# KiCad board for_real_486_2.kicad_pcb (continued)
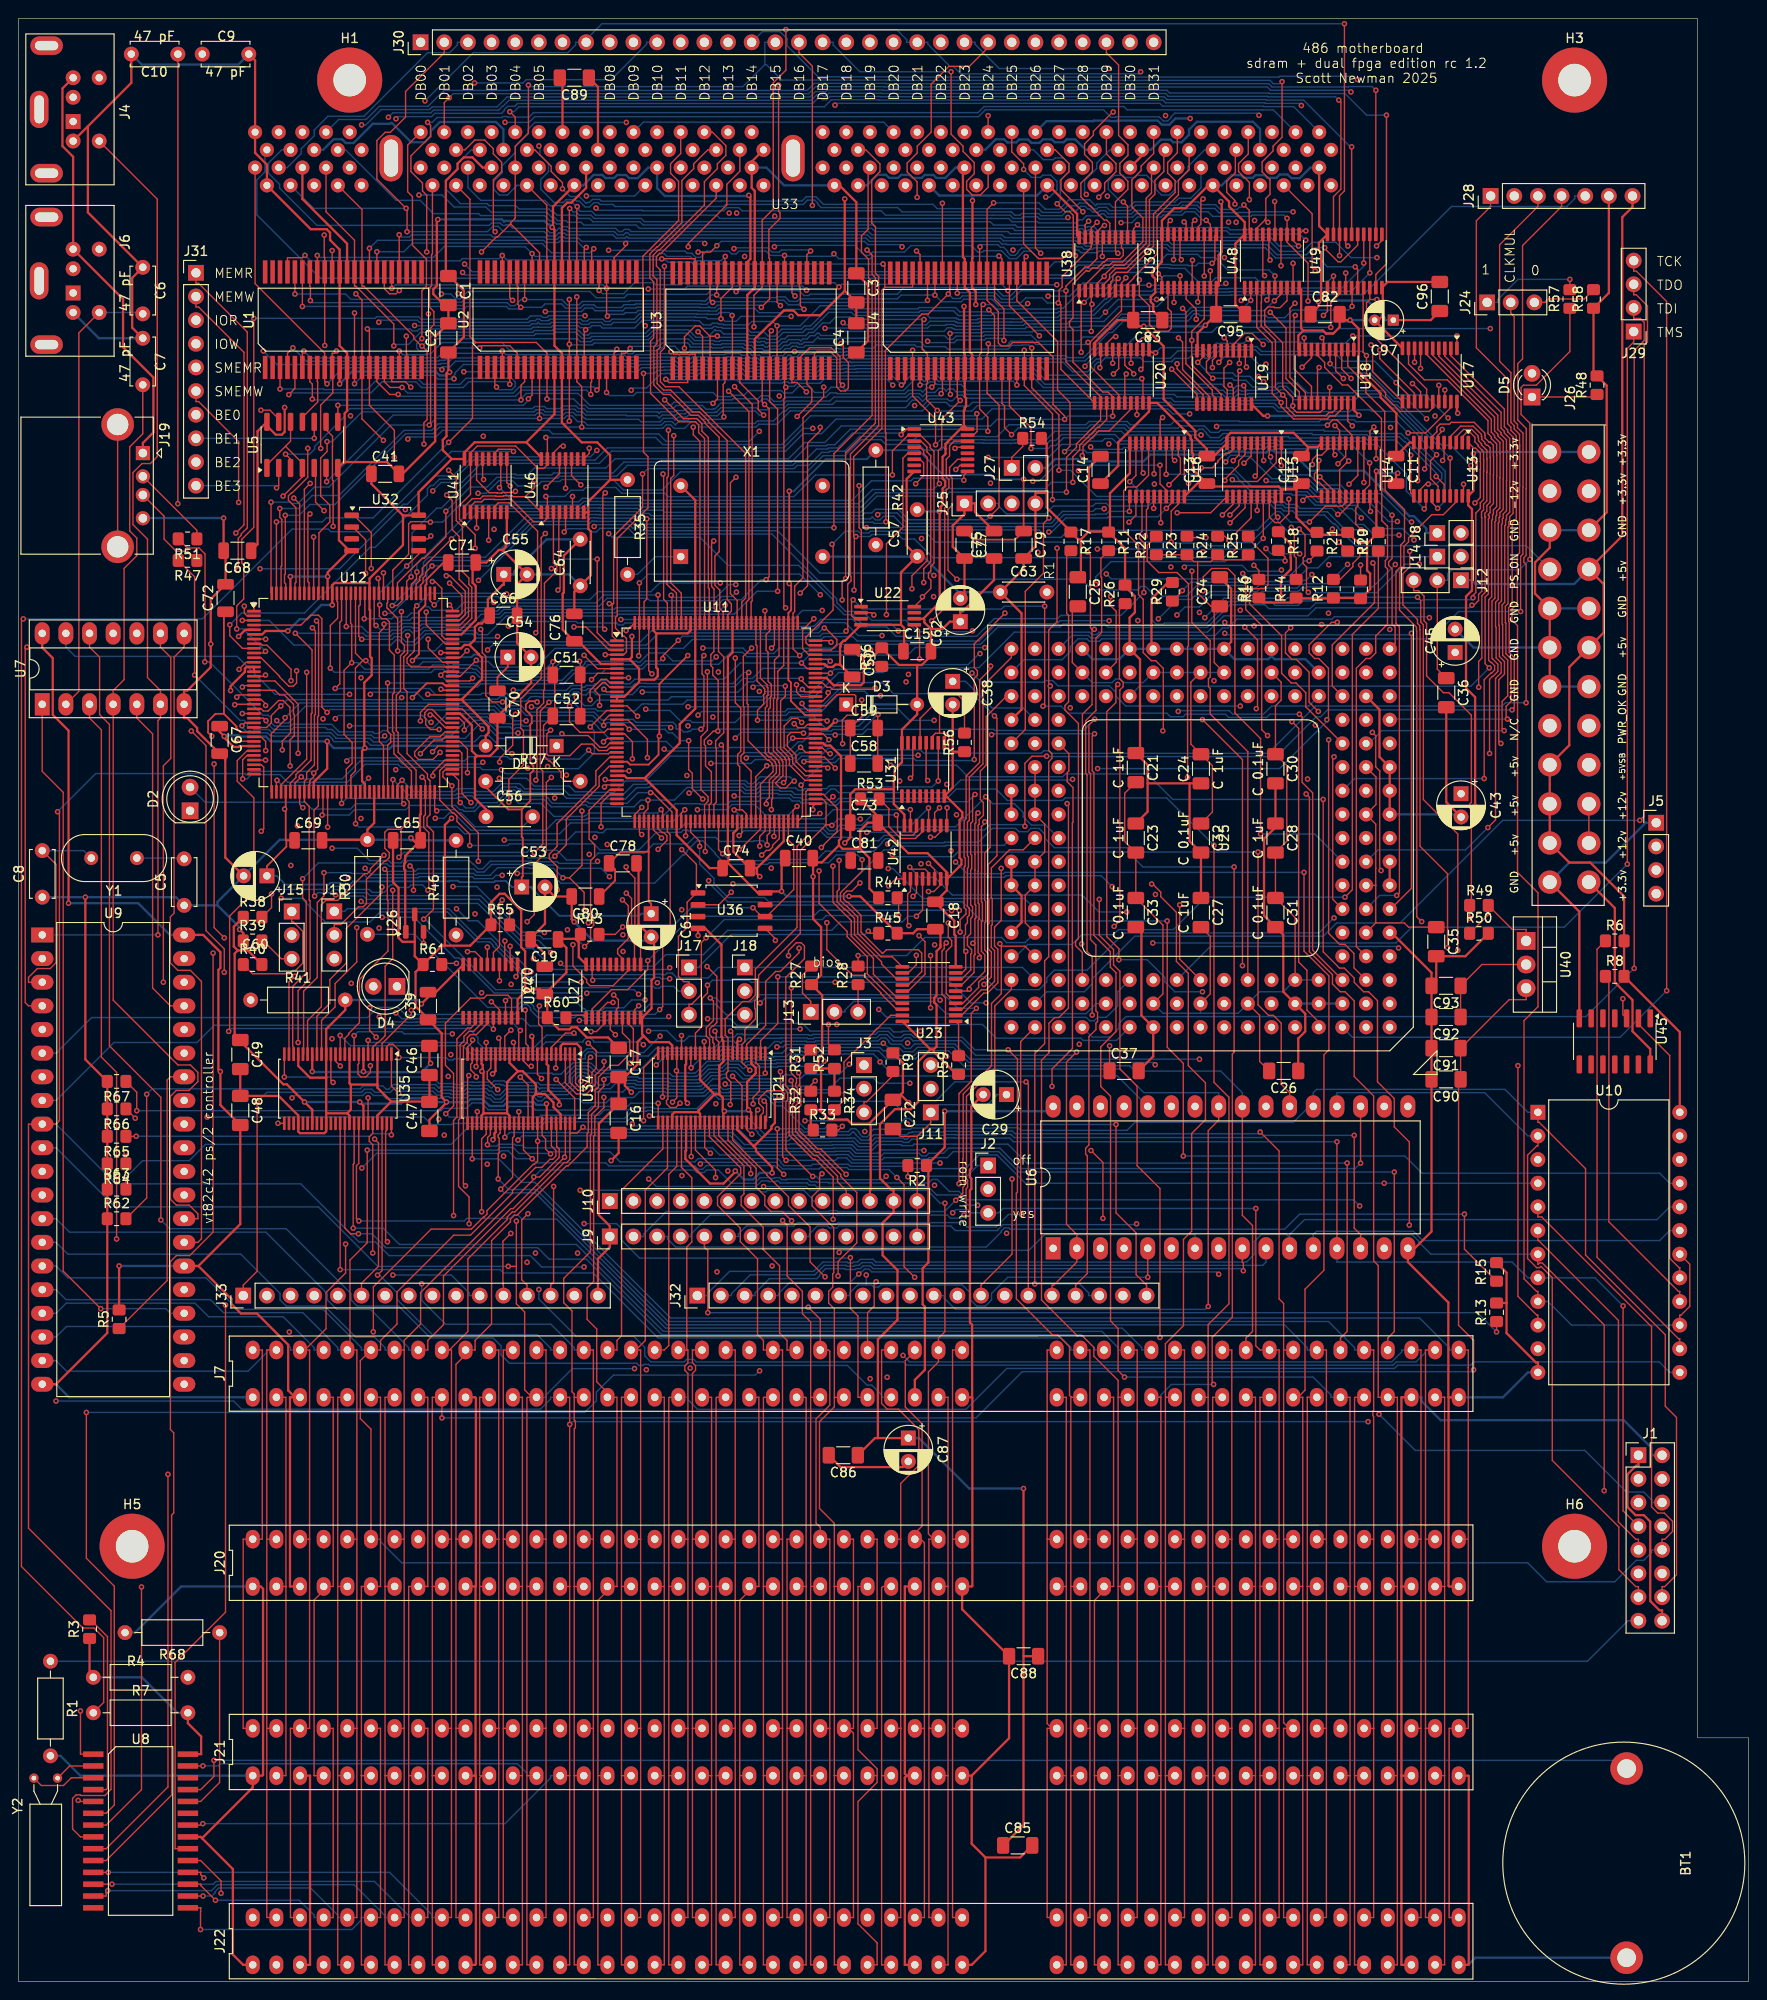
[diagram p0: board, top side]
## Routing (per net, layer and track width the routed paths; a pad name or vN(x,y) marks a point on that pad's centre or on a via; arc(x,y) is an arc through that point) (continued)
  In1.Cu w0.15: v1(102.12,106.58) 96.78,106.58 89.23,99.03 v1(89.23,98.51)
  In2.Cu w0.15: U25.N17 105.57,131.91 105.57,126.34 v1(103.78,124.54) ; v1(110.68,157.19) 114.83,161.33 114.83,164.12 114.55,164.4 v1(114.55,173.48)
  Bottom w0.15: v1(25.61,94.45) 26.67,95.51 36.83,95.51 37.16,95.83 37.92,95.83 38.25,95.51 39.3,95.51 39.32,95.49 39.9,95.49 40.39,95.97 44.63,95.97 45.05,95.55 45.24,95.55 45.42,95.73 46.48,95.73 46.59,95.63 47.84,95.63 48.09,95.89 48.48,95.89 48.51,95.86 49.68,95.86 49.71,95.89 50.3,95.89 50.55,95.63 50.81,95.63 51.22,95.21 51.7,95.21 52.04,95.55 52.04,95.55 52.33,95.85 55.48,95.85 55.96,95.38 56.01,95.38 56.23,95.6 57.2,95.6 57.21,95.59 58.81,95.59 59.37,96.15 59.37,96.27 59.47,96.37 59.47,97.08 60.01,97.63 60.78,97.63 60.84,97.57 61.06,97.57 61.64,96.99 61.64,96.42 62.19,95.88 63.56,95.88 64.11,96.44 66.2,96.44 66.36,96.27 69.69,96.27 69.8,96.16 71.4,96.16 71.42,96.14 73.06,96.14 73.08,96.16 73.29,96.16 74.41,97.28 75.4,97.28 75.53,97.41 75.86,97.41 76.24,97.8 76.93,97.8 77.79,96.94 81.88,96.94 82.3,97.36 83.19,97.36 83.57,96.98 84.01,96.98 84.45,97.42 88.14,97.42 v1(89.23,98.51) ; v1(114.55,173.48) 114.55,173.55 116.09,175.09 121.98,175.09 v1(122.13,174.93) 122.68,175.48 127.28,175.48 127.72,175.04 127.75,175.04 128.65,175.94 131.6,175.94 v1(132.06,176.41) 133.92,176.41 134.23,176.09 137.7,176.09 137.84,175.95 142.52,175.95 v1(143.3,176.73) v1(154.5,176.73)
WTWB: length 30.7
  Bottom w0.15: U25.B13 115.74,105.03 114.66,103.94 99.62,103.94 98.3,105.27 89.7,105.27 88.76,104.32 88.76,104.14 J13.2
x00: length 110.6
  Top w0.15: U11.18 65.44,135.5 67.54,133.41 v1(67.54,131.44) ; U34.2 59.22,96.56 60.08,95.7 60.79,95.7 61.18,96.08 61.18,96.17 61.58,96.57 61.58,97.63 62.05,98.09 62.05,99.91 v1(61.19,100.76) ; U12.34 26.07,130.68 26.33,130.42 26.33,123.8 v1(26.06,123.53)
  In2.Cu w0.15: v1(28.2,116.33) 28.2,121.4 v1(26.06,123.53) ; v1(60.44,107.34) 61.03,106.76 v1(61.03,106.14) 61.03,104.7 62.06,103.67 62.06,101.63 v1(61.19,100.76) ; v1(67.54,131.44) 67.54,130.42 65.69,128.57 65.69,127.98 65.62,127.91 65.62,127.08 65.27,126.73 65.27,124.59 65.46,124.4 65.46,123.28 65.65,123.08 65.65,121.6 66.52,120.73 66.52,111.59 66.59,111.51 66.59,106.03 v1(66.6,106.03)
  Bottom w0.15: v1(28.2,116.33) 30.4,116.33 32.95,113.78 37.73,113.78 38.81,114.87 46.05,114.87 49.26,111.66 50.59,111.66 50.93,111.32 50.93,111.23 52.95,109.21 52.96,109.21 54.11,108.06 54.11,108.05 54.82,107.34 v1(60.44,107.34) ; v1(61.03,106.14) 61.17,106.28 63.44,106.28 63.68,106.53 66.1,106.53 v1(66.6,106.03)
x01: length 105.8
  Top w0.15: v1(62.84,134.9) 62.84,135.39 63.46,136 U11.17 ; U12.33 v1(26.52,131.18) ; U34.3 58.72,96.51 59.91,95.32 61,95.32 61.53,95.85 61.53,96.02 61.7,96.2 61.82,96.2 61.93,96.31 61.93,97.31 62.88,98.26 v1(62.88,98.81)
  In1.Cu w0.15: v1(62.88,98.81) 63.23,99.15 63.23,102.16 64.14,103.07 64.14,103.32 64.05,103.41 64.05,103.48 65.2,104.63 65.2,105.52 66.67,106.99 68.33,106.99 v1(68.61,107.27) ; v1(71.9,134.86) 71.71,134.67 v1(70.04,134.67)
  In2.Cu w0.15: v1(26.52,131.18) 27.72,132.38 v1(27.72,135.42) ; v1(71.9,134.86) 71.9,134.12 71.32,133.54 71.32,130.38 70.31,129.36 70.31,128.82 69.94,128.46 69.94,113.55 69.52,113.12 69.52,110.68 69.02,110.19 69.02,109.64 69.01,109.62 69.01,108.49 69.02,108.47 69.02,108.18 68.67,107.83 68.67,107.33 v1(68.61,107.27)
  Bottom w0.15: v1(27.72,135.42) 27.98,135.16 29,135.16 30.8,136.96 51.14,136.96 51.77,136.33 52.41,136.33 52.74,136.67 53.83,136.67 54.52,135.97 61.67,135.97 62.74,134.9 v1(62.84,134.9) 62.92,134.9 63.22,135.2 65.86,135.2 66.17,134.89 69.83,134.89 v1(70.04,134.67)
x02: length 102.2
  Top w0.15: v1(61.4,134.74) 63.16,136.5 U11.16 ; v1(57.69,98.11) 57.72,98.15 U34.5 ; v1(24.07,129.16) 24.07,131.21 24.54,131.68 U12.32
  In1.Cu w0.15: v1(51.86,130.15) 52.7,130.15 59.97,122.88 v1(61.9,122.88)
  In2.Cu w0.15: v1(57.69,98.11) 57.69,97.63 56.13,96.07 56.13,94.02 56.47,93.68 56.99,93.68 57.5,94.2 57.5,95.65 58.32,96.47 58.32,96.79 58.41,96.88 58.41,97.52 58.66,97.77 58.66,100.23 58.74,100.31 58.74,100.37 58.98,100.61 58.98,101.21 58.72,101.47 58.72,102.24 58.98,102.49 58.98,102.65 58.95,102.68 58.95,107.64 59.16,107.85 59.16,108.05 60.12,109 60.12,113.43 61.52,114.84 61.52,120.46 61.87,120.81 61.87,122.86 v1(61.9,122.88)
  Bottom w0.15: v1(61.4,134.74) 61.84,134.31 61.84,131.97 60.13,130.26 58.62,130.26 58.27,129.91 55.11,129.91 54.93,129.73 52.27,129.73 v1(51.86,130.15) 49.83,130.15 49.58,130.4 41.07,130.4 40.74,130.73 37.22,130.73 35.3,128.8 28.89,128.8 28.08,129.61 25,129.61 24.54,129.16 v1(24.07,129.16)
x03: length 126.5
  Top w0.15: v1(22.56,102.04) 22.67,102.15 22.67,114.43 25.27,117.03 25.27,127.12 23.48,128.91 23.48,131.12 24.54,132.18 U12.31 ; v1(66.48,135.89) 65.36,137 U11.15 ; v1(59.65,101.85) 58.74,101.85 57.22,100.33 U34.6
  In1.Cu w0.15: v1(71.78,129.52) 71.78,131.62 68,135.4 66.97,135.4 v1(66.48,135.89) ; v1(60.23,103.21) 60.23,102.43 v1(59.65,101.85)
  In2.Cu w0.15: v1(71.78,129.52) 71.78,128.28 70.65,127.15 70.65,113.26 70.51,113.12 70.51,106.25 69.83,105.57 v1(69.83,103.63)
  Bottom w0.15: v1(59.65,101.85) 59.67,101.83 59.69,101.83 59.89,101.64 59.9,101.64 59.91,101.63 56.7,101.63 55.33,100.26 49.93,100.26 49.34,100.85 49.34,101.36 48.35,102.35 43.02,102.35 43,102.33 41.35,102.33 41.33,102.35 22.87,102.35 v1(22.56,102.04) ; v1(60.23,103.21) 63.26,103.21 63.5,103.44 69.64,103.44 v1(69.83,103.63)
x04: length 87.4
  Top w0.15: v1(23.37,133.21) 25.25,133.21 U12.29 ; U11.12 63.15,138.5 v1(62.86,138.79) ; U34.8 56.22,102.47 55.86,102.83 55.86,104.69 v1(55.94,104.77)
  In1.Cu w0.15: v1(46.66,117.59) 42.78,121.47 42.06,121.47 30.31,133.21 v1(23.37,133.21)
  In2.Cu w0.15: v1(62.86,138.79) 62.98,138.67 62.98,136.18 62,135.2 62,126.27 59.95,124.22 59.95,116.49 56.48,113.03 v1(56.48,112.67) 56.12,112.3 56.12,104.95 v1(55.94,104.77)
  Bottom w0.15: v1(56.48,112.67) 56.46,112.69 54.11,112.69 49.21,117.59 v1(46.66,117.59)
x05: length 97.1
  Top w0.15: 59.18,118.54 v1(58.47,118.54) ; 59.18,118.54 60.51,119.87 v1(60.51,125.71) ; 59.18,118.54 60.74,116.97 v1(60.74,115.06) ; U12.28 26.04,133.68 26.54,133.18 v1(26.54,132.2) ; v1(56.17,96.98) 55.72,97.42 U34.9 ; U11.11 63.5,139 63,139.5 62.72,139.5 61.9,138.69 61.9,138.62 62.4,138.12 v1(62.4,137.05)
  In1.Cu w0.15: v1(26.54,132.2) 27.21,131.53 29.03,131.53 30.08,130.47 30.19,130.47 31.02,129.64 31.02,128.71 34.25,125.48 34.25,122.52 v1(37.22,119.55)
  In2.Cu w0.15: v1(62.4,137.05) 60.63,135.28 60.63,130.96 61.42,130.17 61.42,126.62 v1(60.51,125.71) ; v1(60.74,115.06) 60.39,114.7 59.75,114.7 58.12,113.07 58.12,110.53 58.79,109.86 58.79,109.11 58.25,108.57 58.25,102.76 58.02,102.53 58.02,101.18 58.27,100.92 58.27,100.9 58.04,100.66 58.04,100.6 57.92,100.49 57.92,99.27 56.17,97.52 v1(56.17,96.98)
  Bottom w0.15: v1(37.22,119.55) 37.89,118.88 42.76,118.88 42.88,119 48.87,119 49.08,118.8 50.63,118.8 51.45,119.62 54.8,119.62 54.86,119.56 57.45,119.56 v1(58.47,118.54)
x06: length 86.9
  Top w0.15: v1(61.39,137.67) 61.39,138.67 62.57,139.86 63.14,139.86 63.49,139.5 U11.10 ; v1(28.17,136.99) 27.15,135.97 27.15,135.19 26.64,134.68 U12.26 ; U34.11 54.72,100.48 54.48,100.72 54.48,104.27 v1(54.41,104.34)
  In1.Cu w0.15: v1(58.84,129.58) 58.01,128.74 56.99,128.74 56.65,129.08 56.65,129.34 55.62,130.37 55.62,130.69 55.08,131.23 54.94,131.23 53.37,132.8 53.12,132.8 52.37,133.55 52.37,133.62 46.61,139.38 42.63,139.38 v1(41.15,137.89)
  In2.Cu w0.15: v1(54.41,104.34) 54.41,112.22 59.04,116.85 59.04,129.38 v1(58.84,129.58) 59.92,130.65 59.92,135.17 61.39,136.64 v1(61.39,137.67)
  Bottom w0.15: v1(28.17,136.99) 28.85,137.67 40.92,137.67 v1(41.15,137.89)
x07: length 128.3
  Top w0.15: U34.12 54.22,98.86 54.79,98.29 v1(55.06,98.29) ; v1(24,134.86) 24.31,135.18 U12.25 ; U11.9 64.29,140.02 v1(65.51,140.02)
  In2.Cu w0.15: v1(24,134.86) 24,131.76 24.38,131.37 24.51,131.37 25.35,130.53 25.35,130.47 25.26,130.38 25.26,126.78 30.19,121.85 30.19,120.07 32.1,118.16 32.22,118.28 32.45,118.28 v1(34.04,116.69) ; v1(65.51,140.02) 67.19,141.7 67.19,143.29 66.82,143.66 66.82,144.98 64.94,146.86 63.15,146.86 59.15,142.86 59.15,141.14 57.54,139.54 57.54,137.1 57.25,136.81 56.92,136.81 54.56,134.45 54.26,134.45 53.9,134.81 53.56,134.81 52.83,134.08 52.83,132.03 v1(52.99,131.87) ; v1(57.16,110.5) 56.96,110.31 56.96,101.27 55.06,99.36 v1(55.06,98.29)
  Bottom w0.15: v1(57.16,110.5) 55.85,111.81 53.87,111.81 49.46,116.22 37.38,116.22 37.02,116.58 34.16,116.58 v1(34.04,116.69) ; v1(24,134.86) 24,134.72 24.47,134.25 24.72,134.25 24.81,134.34 24.87,134.34 25.11,134.11 26.73,134.11 27.05,133.79 27.35,133.79 27.39,133.76 29.63,133.76 29.64,133.77 33.38,133.77 33.72,133.43 33.72,133.33 33.89,133.16 37.42,133.16 37.8,132.77 39.64,132.77 39.97,133.11 39.97,133.11 40.02,133.16 49,133.16 49.63,133.79 50.54,133.79 52.24,132.09 52.77,132.09 v1(52.99,131.87)
x08: length 66.7
  Top w0.15: U34.13 53.72,101.97 v1(53.89,102.14) ; v1(26.57,135.42) 26.31,135.68 U12.24
  In2.Cu w0.15: v1(39.32,133.77) 38.88,133.33 38.88,121.91 38.22,121.26 38.22,118.06 38.1,117.94 38.1,114.41 38.81,113.71 38.97,113.71 39.32,113.36 39.32,112.51 36.89,110.08 36.89,106.23 38.74,104.38 v1(38.74,103.6)
  Bottom w0.15: v1(26.57,135.42) 26.57,135.26 27.34,134.49 27.65,134.49 27.68,134.46 29.34,134.46 29.56,134.68 32.97,134.68 33.18,134.47 33.67,134.47 34.28,133.86 37.88,133.86 38.17,133.57 39.12,133.57 v1(39.32,133.77) ; v1(38.74,103.6) 39.28,103.05 41.62,103.05 41.65,103.03 42.71,103.03 42.73,103.05 52.97,103.05 v1(53.89,102.14)
x09: length 55.1
  Top w0.15: U12.23 v1(24.03,136.18) ; v1(53.15,100.85) 53.22,100.77 U34.14
  In1.Cu w0.15: v1(24.03,136.18) 26.58,133.63 30.52,133.63 41.96,122.19 42.97,122.19 v1(55.3,109.86)
  In2.Cu w0.15: v1(53.15,100.85) 53.42,100.85 55.36,102.8 55.36,105.01 55.72,105.37 55.72,109.43 v1(55.3,109.86)
x10: length 57.4
  Top w0.15: v1(28.32,132.27) 28.32,133.22 29.2,134.1 29.2,135.98 29.14,136.04 29.14,136.85 28.41,137.58 27.92,137.58 26.79,136.45 26.29,136.45 26.06,136.68 U12.22 ; v1(52.88,102.18) 52.22,101.52 U34.16
  In1.Cu w0.15: v1(28.32,132.27) 28.82,132.27 30.1,130.98 31.55,130.98 38.9,123.63 38.9,123.5 41.11,121.29 41.14,121.29 41.47,120.95 41.47,120.06 41.46,120.05 41.46,119.5 42.62,118.35 43.9,118.35 v1(47.04,115.21)
  In2.Cu w0.15: v1(52.88,102.18) 53.11,102.18 54.99,104.05 54.99,108.39 v1(55.03,108.44)
  Bottom w0.15: v1(47.04,115.21) 48.33,113.92 49.33,113.92 51.65,111.59 51.65,111.51 53.25,109.91 53.56,109.91 v1(55.03,108.44)
x11: length 64.6
  Top w0.15: v1(23.21,137.13) 23.26,137.18 U12.21 ; U34.17 51.72,101.16 v1(51.57,101.32)
  In1.Cu w0.15: v1(29.24,119.86) 29.16,119.94 29.16,126.14 22.8,132.51 22.8,136.72 v1(23.21,137.13) ; v1(51.57,101.32) 49.79,99.54 47.86,99.54 46.92,100.47 45.68,100.47 44.15,102.01 37.28,102.01 36.22,100.96 33.96,100.96 v1(33.67,101.25)
  In2.Cu w0.15: v1(29.24,119.86) 29.24,118.08 31.22,116.1 31.22,103.7 v1(33.67,101.25)
x12: length 63.5
  Top w0.15: U12.20 26.07,137.68 26.53,137.22 v1(26.53,137.05) ; U34.19 50.72,98.1 50.33,97.71 50.33,96.92 v1(51.46,95.79)
  In1.Cu w0.15: v1(52.9,107.09) 53.41,107.09 54.46,108.14 54.46,108.68 54.8,109.01 55.33,109.01 55.89,109.57 55.89,110.09 42.31,123.67 41.52,123.67 28.78,136.4 27.17,136.4 v1(26.53,137.05)
  In2.Cu w0.15: v1(51.46,95.79) 52.4,96.73 52.4,98.04 52.23,98.22 52.23,103.53 52.9,104.21 v1(52.9,107.09)
x13: length 68.5
  Top w0.15: U12.19 23.67,138.18 v1(23.43,137.94) ; v1(18.55,134.31) 20.13,132.73 20.13,112.86 22.09,110.9 v1(22.09,108.39) ; U34.20 v1(50.22,100.84)
  In1.Cu w0.15: v1(23.43,137.94) 22.19,137.94 v1(18.55,134.31) ; v1(22.09,108.39) 26.11,108.39 31.8,102.7 44.53,102.7 46.38,100.84 48.22,100.84 48.52,100.54 49.92,100.54 v1(50.22,100.84)
x14: length 58.4
  Top w0.15: U34.22 49.22,98.35 v1(49.13,98.26) ; v1(29.16,130.55) 29.16,133.35 29.61,133.8 29.61,136.07 29.52,136.16 29.52,137.18 28.53,138.17 28.04,138.17 27.53,138.68 U12.18 ; v1(37.7,104.58) 37.7,102.12 v1(38.41,101.42)
  In1.Cu w0.15: v1(49.13,98.26) 48.64,98.26 46.77,100.12 45.36,100.12 45.01,100.47 39.35,100.47 v1(38.41,101.42) ; v1(29.16,130.55) 29.51,130.19 29.51,124.56 v1(29.95,124.12)
  In2.Cu w0.15: v1(37.7,104.58) 37.53,104.58 35.15,106.97 35.15,115.86 35.41,116.12 35.41,116.6 35.15,116.86 35.15,117.22 33.56,118.81 33.56,119.31 29.95,122.92 v1(29.95,124.12)
x15: length 70.1
  Top w0.15: v1(49.15,97.14) 49.15,97.31 48.56,97.91 48.56,98.5 48.72,98.67 U34.23 ; v1(24.03,139.02) 24.19,139.18 U12.17 ; v1(22.09,112.09) 21,113.18 v1(21,130.76)
  In1.Cu w0.15: v1(49.15,97.14) 48.61,96.6 34.86,96.6 32.96,98.5 30.3,98.5 21.48,107.32 21.48,111.47 v1(22.09,112.09)
  In2.Cu w0.15: v1(24.03,139.02) 24.03,137.14 22.77,135.88 22.77,132.53 v1(21,130.76)
~{CAS}: length 98.1
  Top w0.15: v1(30.36,129.38) 29.69,128.71 U12.42
  In2.Cu w0.15: U33.115 68.58,196.33 67.19,194.93 67.19,194.42 66.22,193.45 66.22,186.87 61.67,182.33 61.67,171.97 57.91,168.21 57.91,152.38 58.16,152.13 58.16,150.6 56.53,148.97 56.53,140.43 51.32,135.22 51.32,132.4 v1(49.86,130.94)
  Bottom w0.15: v1(49.86,130.94) 49.67,130.75 41.22,130.75 40.89,131.08 36.67,131.08 34.75,129.16 30.59,129.16 v1(30.36,129.38)
~{RAS}: length 97.1
  Top w0.15: U12.43 30.19,127.77 30.19,126.41 v1(30.53,126.07)
  In2.Cu w0.15: v1(44.31,135.23) 46.88,137.81 46.88,145.33 47.76,146.21 47.76,146.45 48.46,147.15 48.46,165.45 55.29,172.28 55.29,183.13 61.19,189.03 61.19,191.17 61.56,191.54 61.56,192.01 61.19,192.38 61.19,193.54 62,194.35 62,195.44 61.19,196.26 61.19,197.27 62.55,198.63 U33.111 ; v1(30.53,126.07) 29.76,126.84 29.76,129.98 30.6,130.82 30.6,132.21 v1(34.02,135.63)
  Bottom w0.15: v1(34.02,135.63) 34.35,135.96 43.39,135.96 44.13,135.23 v1(44.31,135.23)
~{RESET}: length 119
  In2.Cu w0.15: U7.10 12.7,143.31 13.84,142.17 13.84,136.57 29.84,120.58 29.84,119.92 31.95,117.8 32.25,117.8 32.31,117.87 32.37,117.87 33.47,116.77 33.47,116.45 33.86,116.06 33.91,116.06 J16.1
  Bottom w0.15: J16.1 35.04,114.94 35.32,115.22 46.21,115.22 49.42,112.01 50.73,112.01 51.28,111.47 51.28,111.38 52.55,110.11 52.55,110.1 53.1,109.56 53.11,109.56 54.46,108.2 54.46,108.2 54.8,107.86 55.27,107.86 55.54,108.13 68.16,108.13 68.23,108.19 69,108.19 69.06,108.13 69.47,108.13 69.64,108.3 70.19,108.3 70.71,107.78 74.06,107.78 75.19,108.91 J18.1 107.83,108.91 U25.C16
Net-(BT1-+): length 157.2
  Top w0.15: v1(20.98,23.74) 20.98,22.02 19.56,20.6 U8.25
  Bottom w0.15: BT1.1 171.84,23.74 v1(20.98,23.74)
Net-(D1-K): length 21.5
  Top w0.15: v1(46.28,147.85) 46.6,147.53 U12.108
  In1.Cu w0.15: D1.1 57.78,133.74 56.98,133.74 55.09,135.63 55.09,135.77 53,137.86 52.39,137.86 46.28,143.96 v1(46.28,147.85)
Net-(D2-K): length 23
  In2.Cu w0.15: R41.1 24.92,112.83 19.26,118.5 19.26,123.71 18.41,124.55 D2.1
Net-(D3-K): length 9.1
  Top w0.15: U11.108 87.09,144 v1(87.26,143.83)
  In2.Cu w0.15: D3.1 88.89,142.2 v1(87.26,143.83)
Net-(D4-K): length 8.8
  In1.Cu w0.15: R46.1 41.82,107.22 41.82,106.88 D4.1
Net-(D5-A): length 40.4
  In2.Cu w0.15: J26.8 166.57,136.97 166.57,168.71 D5.2
Net-(D5-K): length 7.1
  Top w0.15: D5.1 169.27,170.18 R48.1
Net-(J1-Pin_15): length 172.4
  Bottom w0.15: R1.1 168.52,34.39 172.86,38.73 J1.15
Net-(J2-Pin_1): length 10.3
  Top w0.15: R2.2 v1(95.52,86.42)
  Bottom w0.15: v1(95.52,86.42) 95.58,86.49 101.87,86.49 103.01,87.63 J2.1
Net-(J2-Pin_2): length 14.4
  In1.Cu w0.15: J2.2 105.27,85.09 105.27,85.57 112.2,92.5 113.67,92.5 113.67,93.98
Net-(J3-Pin_3): length 5.8
  Top w0.15: R9.2 93.91,97.3 91.09,94.47 90.8,94.47 J3.3
Net-(J5-Pin_4): length 15
  Top w0.15: v1(172.32,105.55) 172.32,103.84 U45.3
  In2.Cu w0.15: J5.4 175.89,115.7 172.32,112.13 v1(172.32,105.55)
Net-(J8-Pin_2): length 36.1
  In2.Cu w0.15: U25.J1 149.83,125.37 149.83,143.96 153.8,147.92 153.8,153.6 154.64,154.45 154.93,154.45 J8.2
Net-(J9-Pin_3): length 97.6
  Top w0.15: v1(155.3,82.41) 155.3,78.65 R15.1
  Bottom w0.15: v1(155.3,82.41) 137.6,82.41 135.98,80.78 106.5,80.78 106.36,80.93 105.88,80.93 105.54,80.59 105.54,80.48 103.93,78.87 70.56,78.87 69.71,79.73 69.71,80.01 J9.3
Net-(J9-Pin_5): length 95
  Top w0.15: v1(74.02,71.83) 74.02,78.52 73.66,78.88 J9.5 ; R13.1 v1(158.75,69.76)
  Bottom w0.15: v1(74.02,71.83) 156.68,71.83 v1(158.75,69.76)
Net-(J11-Pin_2): length 69.6
  In1.Cu w0.15: J11.2 101.05,95.88 105.93,100.76 106.44,100.76 107.9,102.23 107.9,102.72 108.94,103.76 109.42,103.76 110.44,104.78 110.44,105.23 111.51,106.3 111.97,106.3 112.98,107.31 112.98,107.81 121.34,116.17 122.35,116.17 122.51,116.34 125.65,116.34 v1(138.45,129.14)
  In2.Cu w0.15: v1(138.45,129.14) 138.5,129.19 138.5,141.97 139.65,143.12 U25.S4
Net-(J13-Pin_1): length 5.7
  Top w0.15: R27.2 84.19,108.08 84.19,106.16 85.09,105.27 J13.1
Net-(J13-Pin_3): length 2.9
  Top w0.15: J13.3 R28.1
Net-(J14-Pin_1): length 30.5
  Top w0.15: v1(125.01,149.39) 125.01,149.33 R29.1
  Bottom w0.15: J14.1 140.78,153.03 139.57,151.82 138.5,151.82 137.39,150.71 136.78,150.71 136.43,150.36 132.5,150.36 132.44,150.29 125.91,150.29 v1(125.01,149.39)
Net-(J14-Pin_2): length 71.8
  In2.Cu w0.15: v1(148.23,111) 148.71,111.48 148.71,116.01 151.17,118.47 151.17,135.62 155.89,140.34 155.89,147.2 155.52,147.57 155.52,148.73 156.05,149.26 156.05,151.49 155.63,151.91 154.93,151.91 J14.2
  Bottom w0.15: U25.C10 128.01,111.16 148.06,111.16 v1(148.23,111)
Net-(J15-Pin_1): length 13.4
  Top w0.15: J15.1 29.34,113.79 29.52,113.79 30.52,112.79 30.52,109.36 29.74,108.59 29.47,108.59 29.11,108.23 25.12,108.23 R40.1
Net-(J15-Pin_3): length 4
  Top w0.15: J15.3 28.21,109.84 26.29,111.76 R39.2
Net-(J17-Pin_1): length 22.2
  Top w0.15: v1(91.26,112.8) 91.48,112.58 R45.1
  Bottom w0.15: v1(91.26,112.8) 90.91,112.45 76.53,112.45 73.14,109.06 73.14,108.91 J17.1
Net-(J17-Pin_3): length 32.8
  Top w0.15: R44.2 94.52,116.24 v1(94.52,114.48) ; v1(73.84,112.09) 73.33,111.58 73.33,106 72.29,104.95 72.01,104.95 J17.3
  Bottom w0.15: v1(94.52,114.48) 86.74,114.48 86.32,114.05 75.8,114.05 v1(73.84,112.09)
Net-(J19-D+): length 10.2
  Top w0.15: J19.3 15.62,157.38 15.62,154.91 16.93,153.61 18.16,153.61 R47.1
Net-(J19-D-): length 9.1
  Top w0.15: J19.2 19.14,155.86 R51.1
Net-(J20-IO): length 66.5
  Top w0.15: J21.32 24.12,27.18 24.12,47.5 J20.32 26.17,47.5 26.17,67.82 J7.32
  In2.Cu w0.15: J21.32 24.12,27.18 24.12,21.42 25.15,20.4 J22.32
Net-(J20-LA17): length 65.1
  Top w0.15: 130.31,47.5 130.31,67.82 J7.88 ; 130.31,47.5 130.31,27.18 ; 130.31,47.5 J20.88 ; 130.31,27.18 J21.88 ; 130.31,27.18 130.31,27.18 130.31,6.86 J22.88
Net-(J20-LA18): length 64.1
  In2.Cu w0.15: J7.87 125.48,66.55 125.48,48.77 J20.87 126.75,45.97 125.48,44.7 125.48,28.45 J21.87 126.75,25.15 125.48,23.88 125.48,8.13 J22.87
Net-(J20-LA19): length 65.1
  Top w0.15: 125.23,27.18 125.23,27.18 125.23,6.86 J22.86 ; 125.23,27.18 J21.86 ; 125.23,27.18 125.23,47.5 ; J20.86 125.23,47.5 ; 125.23,47.5 125.23,67.82 J7.86
Net-(J20-OSC): length 65.1
  Top w0.15: 99.83,22.1 99.83,42.42 99.83,42.42 ; 99.83,22.1 J21.30 ; 99.83,22.1 99.83,22.1 99.83,1.78 J22.30 ; J7.30 99.83,62.74 99.83,42.42 ; 99.83,42.42 J20.30
Net-(J20-RESET): length 66.1
  Top w0.15: J7.2 28.71,62.74 28.71,42.42 28.71,42.42 ; 28.71,42.42 28.71,42.42 28.71,22.1 J21.2 ; 28.71,42.42 J20.2
  In2.Cu w0.15: J21.2 26.66,22.1 26.66,1.78 J22.2
Net-(J24-Pin_1): length 11.2
  Top w0.15: v1(166.62,182.81) R57.2
  Bottom w0.15: J24.1 158.86,180.34 158.86,180.62 161.05,182.81 v1(166.62,182.81)
Net-(J24-Pin_2): length 91.8
  Top w0.15: v1(161.34,147.14) 161.34,153.06 161.58,153.3 161.58,160.48 161.59,160.5 161.59,166.29 161,166.89 161,167.24 160.64,167.6 160.64,178.84 160.27,179.21 J24.2
  Bottom w0.15: U25.R17 108.01,141.96 112.09,141.96 112.98,142.86 112.98,143.38 113.81,144.21 114.75,144.21 115.02,143.94 116.08,143.94 116.34,144.21 151.75,144.21 154.68,147.14 v1(161.34,147.14)
Net-(J24-Pin_3): length 6.9
  Top w0.15: J24.3 163.94,180.34 164.31,180.7 168.16,180.7 R58.2
Net-(J25-Pin_2): length 64.7
  Bottom w0.15: J25.2 105.27,158.75 105.27,158.47 106.11,157.62 110.3,157.62 111.14,158.47 115.39,158.47 115.68,158.76 116.84,158.76 117.13,158.47 121.35,158.47 121.68,158.79 125.18,158.79 125.23,158.74 134.36,158.74 134.87,158.22 135.62,158.22 135.91,157.94 136.86,157.94 137.29,157.5 140.26,157.5 141.2,156.57 141.36,156.57 141.7,156.23 141.7,156.15 143.63,154.21 161.92,154.21 J26.16
Net-(J27-Pin_1): length 3.7
  Top w0.15: R54.1 107.86,164.87 106.67,163.69 J27.1
Net-(J29-Pin_1): length 122.5
  Top w0.15: v1(172.79,120) 172.79,175.39 173.48,176.08 J29.1
  In1.Cu w0.15: U25.B14 115.29,106.06 116.81,106.06 118.29,107.55 118.29,108 v1(121.82,111.53)
  Bottom w0.15: v1(121.82,111.53) 147.95,111.53 149.65,113.24 166.03,113.24 v1(172.79,120)
Net-(J29-Pin_2): length 135.3
  Top w0.15: J29.2 173.48,178.62 174.19,178.62 174.61,178.19 174.61,176.24 174.45,176.08 173.53,175.16 v1(173.53,108.81)
  Bottom w0.15: v1(173.53,108.81) 168.36,103.63 118.94,103.63 118.19,102.88 118.19,102.37 117.25,101.43 115.31,101.43 U25.A14
Net-(J29-Pin_3): length 132.1
  Top w0.15: J29.3 173.48,181.16 173.76,181.16 174.96,179.96 174.96,176.09 174.61,175.74 174.61,125.18 v1(174.14,124.71)
  Bottom w0.15: v1(174.14,124.71) 159.41,124.71 148.39,113.69 141.56,113.69 140.14,112.26 119.89,112.26 115.31,107.69 115.31,107.14 114.47,106.3 110.44,106.3 U25.B16
Net-(J29-Pin_4): length 117.4
  Top w0.15: J29.4 173.48,183.7 173.76,183.7 177.02,180.44 v1(177.02,106.41)
  Bottom w0.15: v1(177.02,106.41) 172.02,101.41 143.27,101.41 U25.A3
Net-(U1-~{CE}): length 6.5
  Top w0.15: U1.8 32.08,171.83 32.12,171.78 32.12,169.64 30.48,168 U5.11
Net-(U2-~{CE}): length 26.2
  Top w0.15: v1(54.76,169.98) 55.16,170.38 U2.8 ; U5.8 v1(34.29,169.29)
  Bottom w0.15: v1(34.29,169.29) 54.21,169.29 54.76,169.83 v1(54.76,169.98)
Net-(U3-~{CE}): length 53.9
  Top w0.15: U5.6 33.08,162.5 v1(33.08,161.08) ; U3.8 75.87,171.73 75.68,171.54 75.68,168.11 v1(75.75,168.04)
  Bottom w0.15: v1(33.08,161.08) 40.23,168.23 55.49,168.23 55.72,168.46 56.2,168.46 56.42,168.23 58.46,168.23 58.75,168.52 59.58,168.52 59.86,168.23 60.43,168.23 60.78,167.88 60.87,167.88 60.97,167.78 66.6,167.78 66.87,167.51 68.89,167.51 69.27,167.89 70.33,167.89 70.54,167.68 70.87,168.02 71.74,168.02 71.94,168.21 73,168.21 73.43,167.78 75.5,167.78 v1(75.75,168.04)
Net-(U4-~{CE}): length 79.6
  Top w0.15: U4.8 99.22,170.67 v1(99.1,170.54) ; U5.3 29.21,163.5 v1(28.67,164.04)
  Bottom w0.15: v1(99.1,170.54) 98.87,170.31 97.7,170.31 97.12,169.73 97.08,169.73 96.62,170.19 95.85,170.19 95.4,169.73 87.78,169.73 87.44,169.39 82.61,169.39 82.23,169.01 80.59,169.01 80.39,168.81 79.52,168.81 79.32,169.01 75.42,169.01 74.97,168.56 74.81,168.56 74.76,168.51 73.69,168.51 73.29,168.92 71.65,168.92 71.45,168.72 70.58,168.72 70.45,168.59 68.98,168.59 68.81,168.42 68.64,168.58 61.07,168.58 60.72,168.93 60.15,168.93 59.87,169.22 58.46,169.22 58.17,168.93 56.71,168.93 56.49,169.16 55.43,169.16 55.2,168.93 35.6,168.93 35.07,168.4 35.07,168.14 31.8,164.88 31.8,164.59 31.25,164.04 v1(28.67,164.04)
Net-(U8-Vout): length 19
  Top w0.15: U8.1 6.64,24.41 v1(6.64,29.04)
  In1.Cu w0.15: R4.2 10.26,32.66 v1(6.64,29.04)
Net-(U8-X1): length 4.4
  Top w0.15: U8.2 5.48,23.14 Y2.2
Net-(U8-X2): length 7.1
  Top w0.15: U8.3 5.65,21.87 4.82,21.04 2.44,21.04 Y2.1
Net-(U8-~{KS}): length 20.4
  Top w0.15: U8.24 19.56,19.33 21.59,21.36 R68.1
Net-(U8-~{RST}): length 20.5
  Top w0.15: U8.4 9.4,20.6 9.54,20.74 9.54,37.03 7.74,38.83 R3.2
Net-(U9-KBCO): length 35.4
  Top w0.15: U9.37 16.3,104.78 14.39,106.69 14.39,134 12.7,135.69 U7.5
Net-(U9-KBDO): length 40.5
  Top w0.15: v1(15.55,107.32) 15.55,130.56 16.34,131.36 16.34,142.2 15.23,143.31 U7.9
  In1.Cu w0.15: v1(15.55,107.32) U9.38
Net-(U9-P22/MSDO): length 73
  Top w0.15: U7.3 7.61,135.69 8.88,134.42 8.88,99.28 10.52,97.64 v1(10.52,79.74)
  In2.Cu w0.15: U9.23 16.3,69.22 16.3,73.96 v1(10.52,79.74)
Net-(U9-P23/MSCO): length 76.7
  Top w0.15: U7.1 2.53,129.97 4.78,127.72 4.78,76.29 v1(8.82,72.26)
  Bottom w0.15: v1(8.82,72.26) 15.8,72.26 16.3,71.76 U9.24
Net-(U9-xtal_1): length 21
  In1.Cu w0.15: U9.2 4.02,109.86 4.02,111.97 Y1.1
  Bottom w0.15: C5.2 17.7,120.66 Y1.1
Net-(U9-xtal_2): length 23.8
  Top w0.15: C8.2 4.02,119.98 4.02,109.41 3.39,108.78 2.01,108.78 1.06,107.84 1.06,107.32 U9.3
  Bottom w0.15: Y1.2 7,121.45 C8.2
Net-(U9-~{KBD-INH}): length 30.8
  Top w0.15: R5.1 15.95,75.28 15.95,96.81 16.3,97.16 U9.34
Net-(U10-G1): length 47.9
  Top w0.15: U10.14 178.43,69.03 178.3,69.03 169.55,77.78 169.55,110.85 R6.1
Net-(U10-G2): length 38.3
  Top w0.15: R8.1 170.81,107.58 170.81,81.59 178.3,74.11 178.43,74.11 U10.16
Net-(U10-OUT2): length 29.7
  Top w0.15: U45.2 173.99,102.81 177.35,99.45 177.35,77.66 178.37,76.65 178.43,76.65 U10.17
Net-(U11E-GNDPLL0): length 46.6
  Top w0.15: U11.127 74.68,142.83 74.35,142.51 74.35,141.32 74.56,141.12 74.56,140.31 75.14,139.73 75.14,134.34 v1(75.1,134.3) 74.63,134.3 73.65,133.32 73.65,132.84 73.78,132.7 73.78,131.06 73.78,131.06 73.78,130.55 74.41,129.92 74.41,126.61 74.18,126.38 U11.53 ; v1(92.32,136.08) 92.28,136.04 C59.2 C58.2
  Bottom w0.15: v1(75.1,134.3) 75.31,134.51 83.67,134.51 83.81,134.65 85.95,134.65 86.3,134.3 87.27,134.3 87.44,134.46 90.65,134.46 92.26,136.08 v1(92.32,136.08)
